# KiCad board ZSWatch-panelized.kicad_pcb
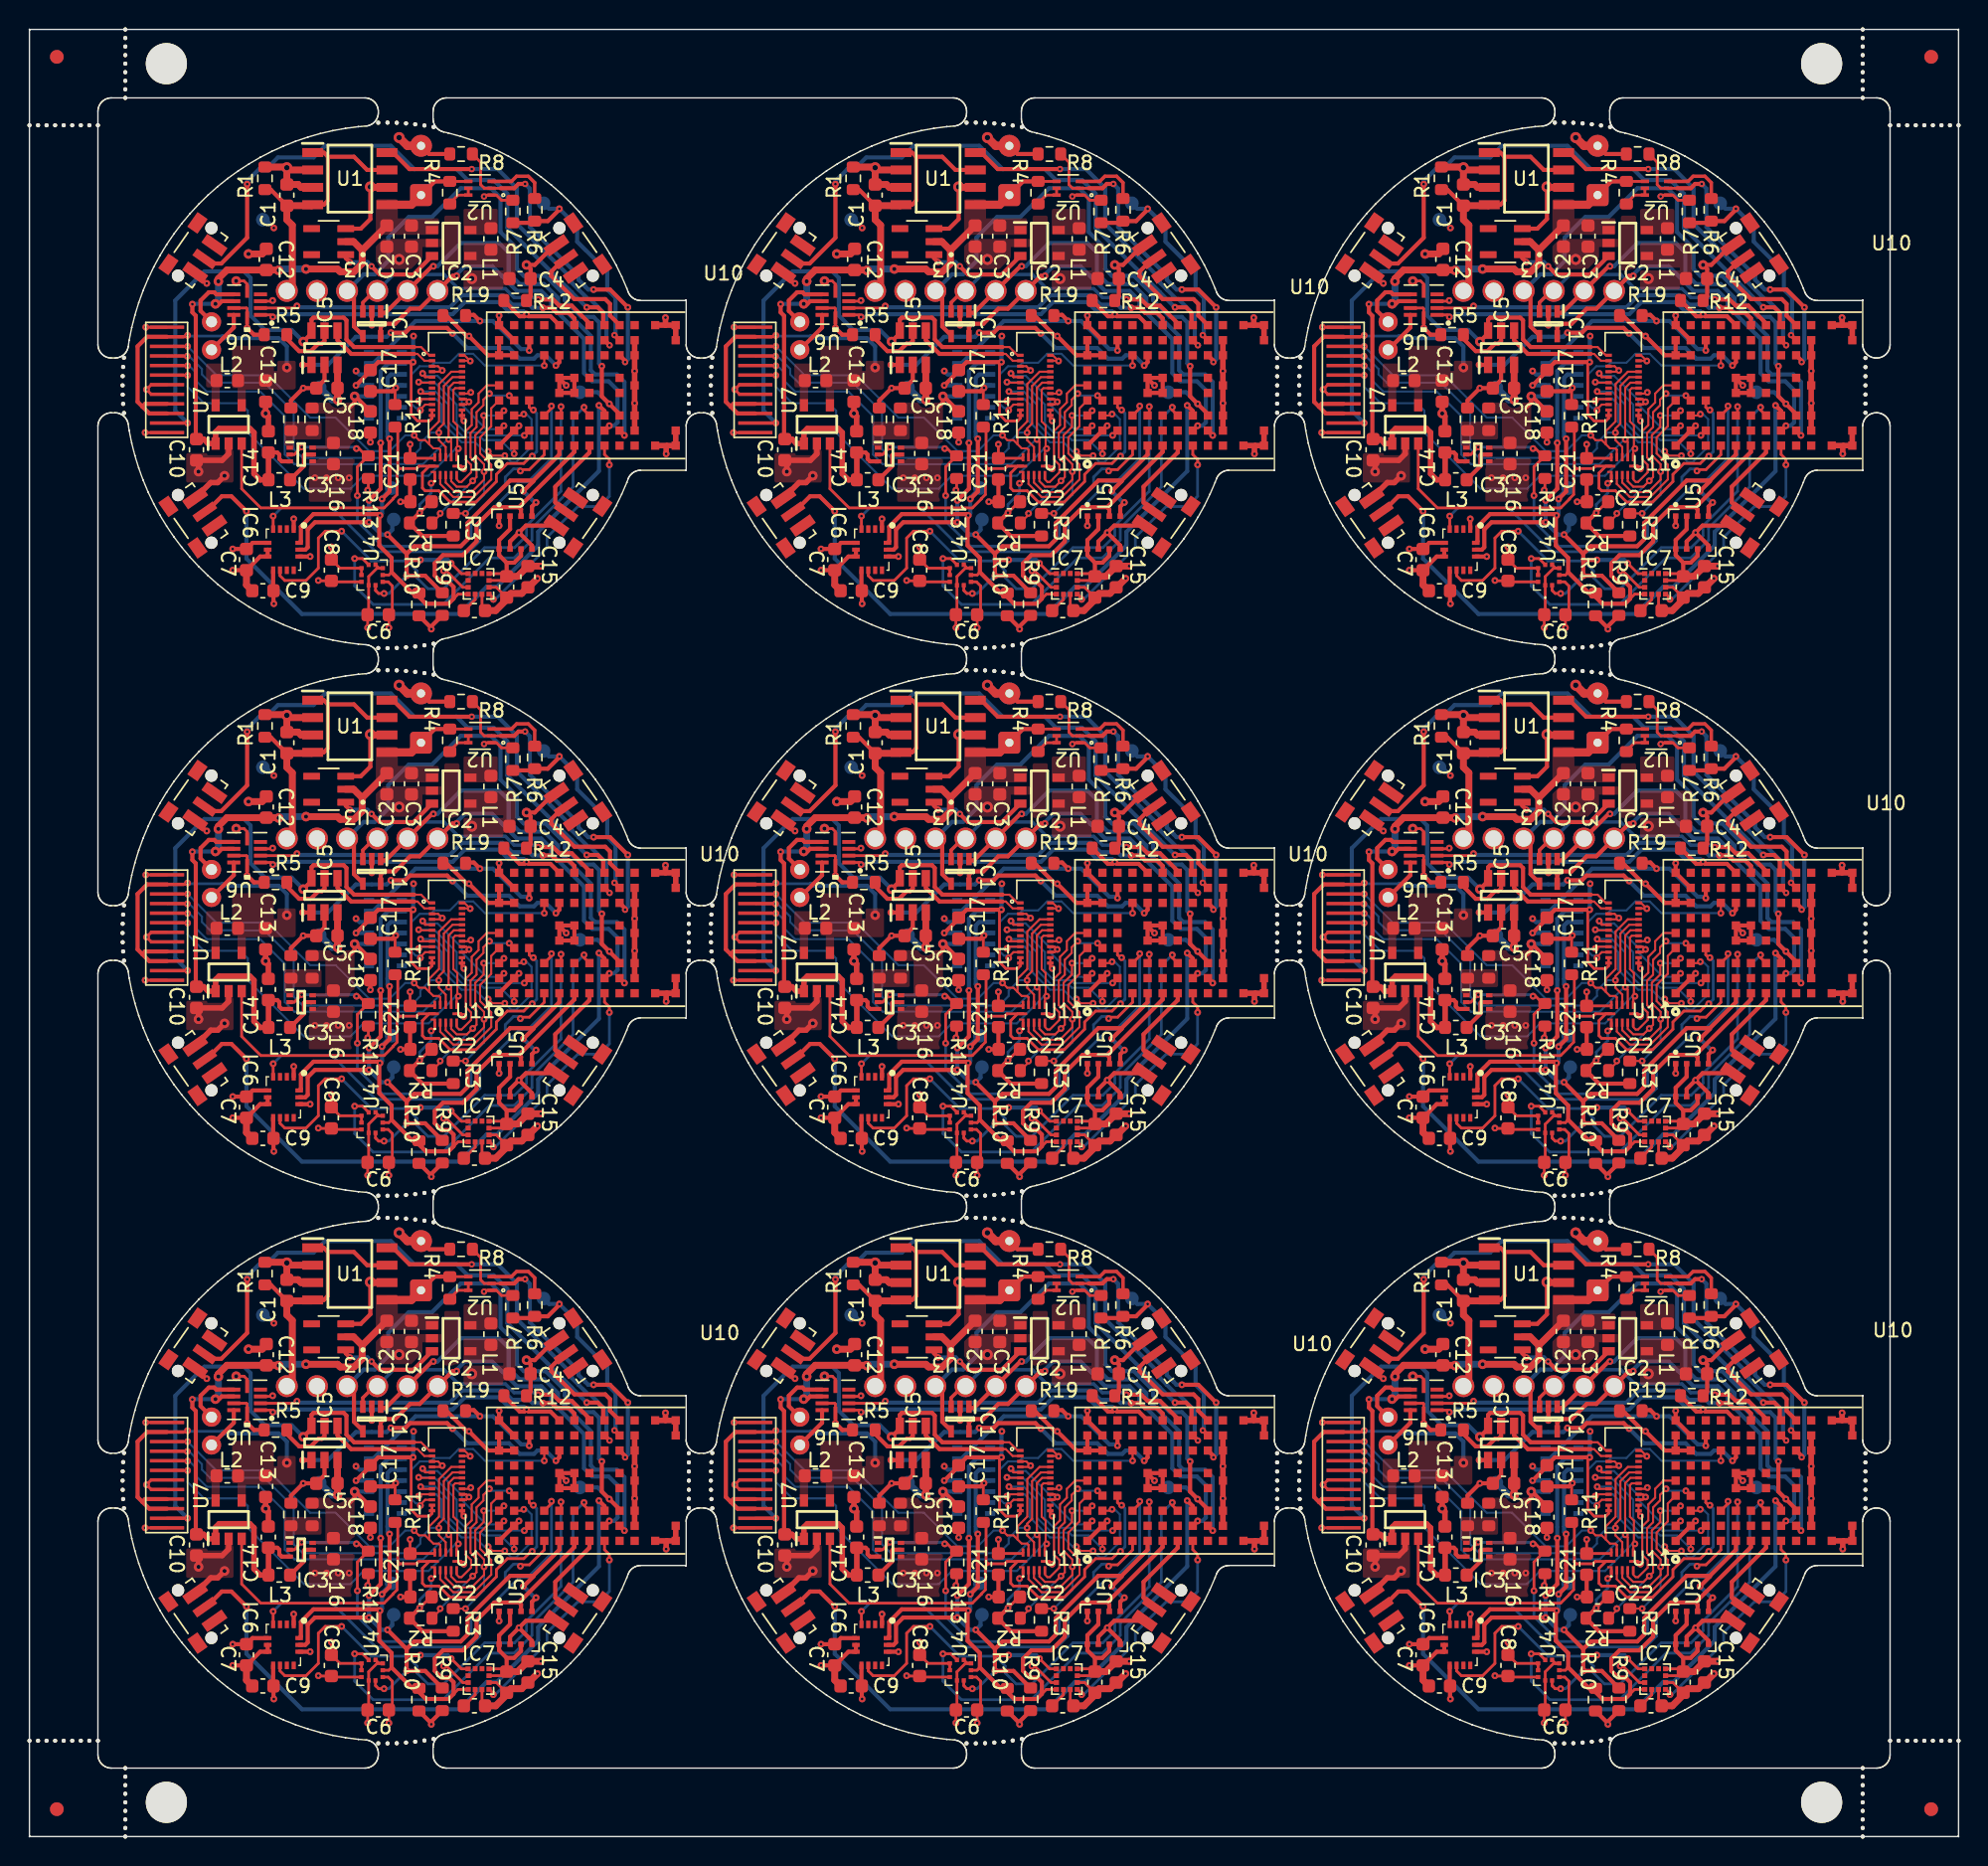
[diagram p0: board, top side]
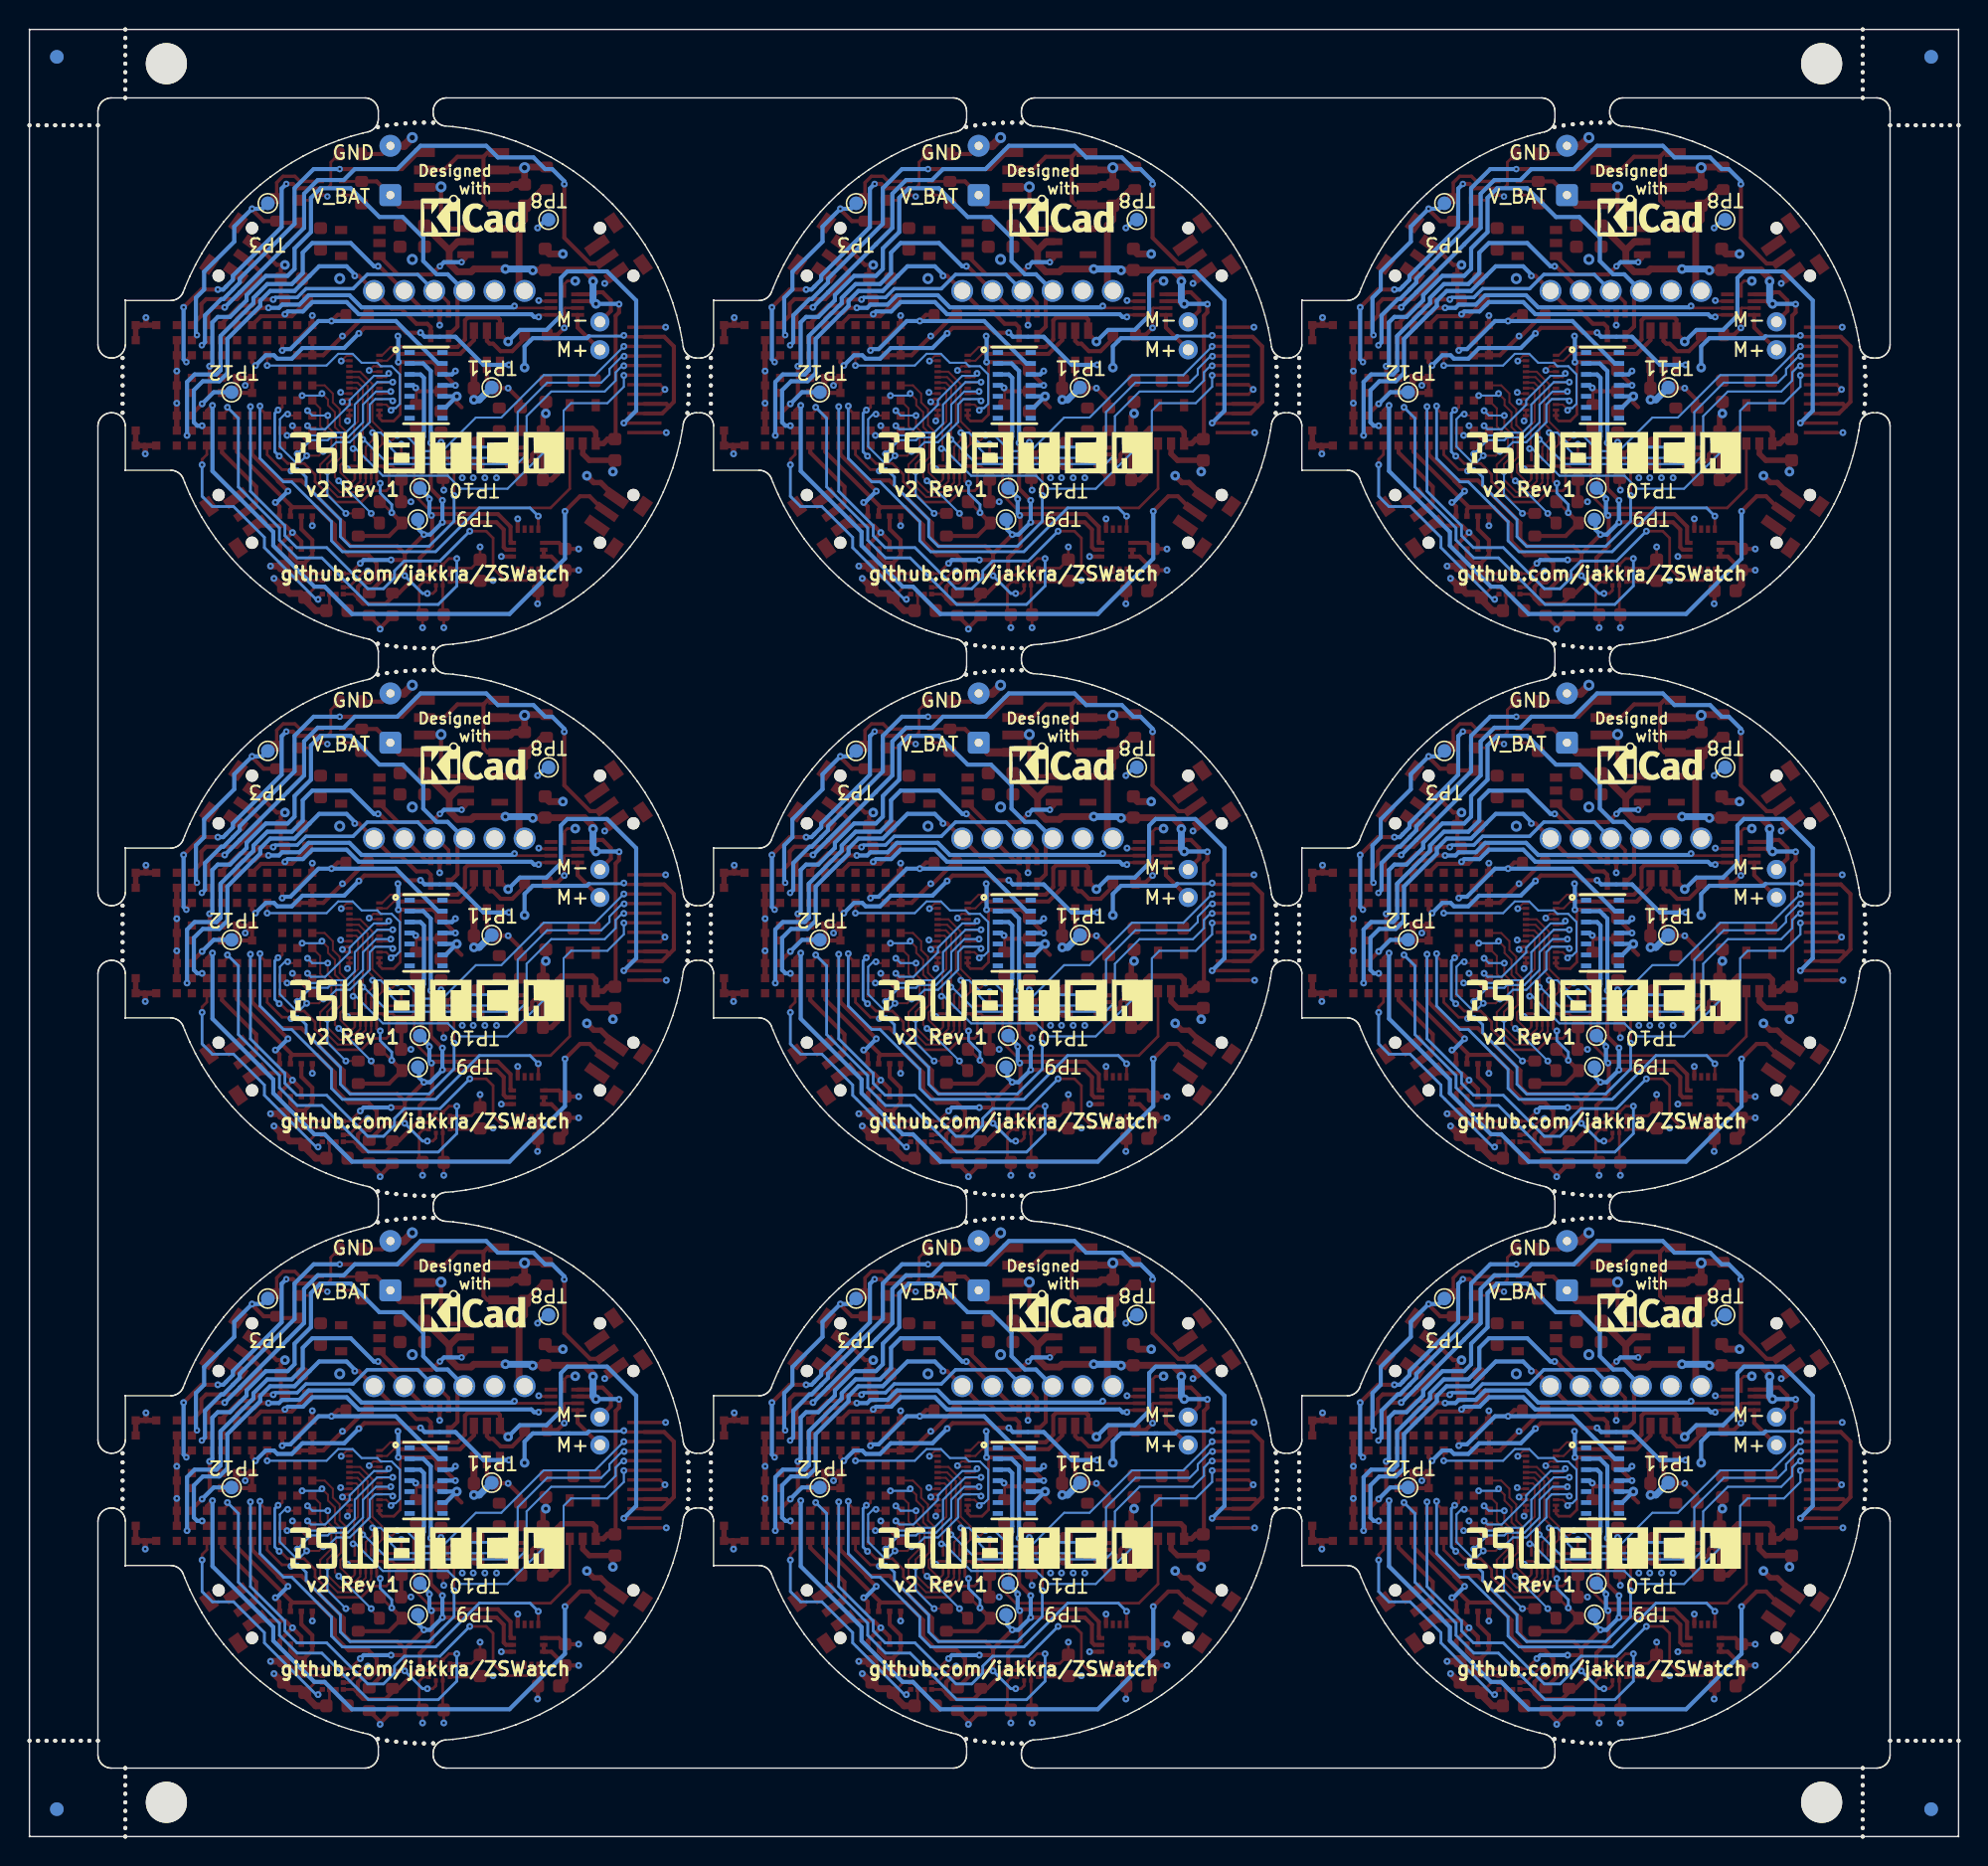
[diagram p1: board, bottom side, seen from below]

Outline 140.87 x 132 mm; copper layers: Top, In1.Cu, In2.Cu, Bottom. Coordinates in mm from the lower left corner of the outline.
Stack: Top 0.035mm / dielectric 0.48mm FR4 er 4.5 / In1.Cu 0.035mm / dielectric 0.48mm FR4 er 4.5 / In2.Cu 0.035mm / dielectric 0.48mm FR4 er 4.5 / Bottom 0.035mm

## Placement (name value [footprint] x y rotation side)
BT1  Battery pack  [SolderWire-0.1sqmm_1x02_P3.6mm_D0.4mm_OD1mm]  71.56 79.9 90 top
BT1#2  Battery pack  [SolderWire-0.1sqmm_1x02_P3.6mm_D0.4mm_OD1mm]  71.56 119.9 90 top
BT1#3  Battery pack  [SolderWire-0.1sqmm_1x02_P3.6mm_D0.4mm_OD1mm]  28.6 39.9 90 top
BT1#4  Battery pack  [SolderWire-0.1sqmm_1x02_P3.6mm_D0.4mm_OD1mm]  114.52 119.9 90 top
BT1#5  Battery pack  [SolderWire-0.1sqmm_1x02_P3.6mm_D0.4mm_OD1mm]  28.6 79.9 90 top
BT1#6  Battery pack  [SolderWire-0.1sqmm_1x02_P3.6mm_D0.4mm_OD1mm]  114.52 79.9 90 top
BT1#7  Battery pack  [SolderWire-0.1sqmm_1x02_P3.6mm_D0.4mm_OD1mm]  28.6 119.9 90 top
BT1#8  Battery pack  [SolderWire-0.1sqmm_1x02_P3.6mm_D0.4mm_OD1mm]  71.56 39.9 90 top
BT1#9  Battery pack  [SolderWire-0.1sqmm_1x02_P3.6mm_D0.4mm_OD1mm]  114.52 39.9 90 top
C1  4.7uF  [C_0603_1608Metric]  61.76 39.9 90 top
C1#2  4.7uF  [C_0603_1608Metric]  61.76 79.9 90 top
C1#3  4.7uF  [C_0603_1608Metric]  104.72 79.9 90 top
C1#4  4.7uF  [C_0603_1608Metric]  104.72 119.9 90 top
C1#5  4.7uF  [C_0603_1608Metric]  61.76 119.9 90 top
C1#6  4.7uF  [C_0603_1608Metric]  18.8 119.9 90 top
C1#7  4.7uF  [C_0603_1608Metric]  104.72 39.9 90 top
C1#8  4.7uF  [C_0603_1608Metric]  18.8 39.9 90 top
C1#9  4.7uF  [C_0603_1608Metric]  18.8 79.9 90 top
C2  2.2uF  [C_0603_1608Metric]  69.06 36.9 90 top
C2#2  2.2uF  [C_0603_1608Metric]  112.02 116.9 90 top
C2#3  2.2uF  [C_0603_1608Metric]  69.06 116.9 90 top
C2#4  2.2uF  [C_0603_1608Metric]  26.1 116.9 90 top
C2#5  2.2uF  [C_0603_1608Metric]  26.1 36.9 90 top
C2#6  2.2uF  [C_0603_1608Metric]  112.02 36.9 90 top
C2#7  2.2uF  [C_0603_1608Metric]  26.1 76.9 90 top
C2#8  2.2uF  [C_0603_1608Metric]  69.06 76.9 90 top
C2#9  2.2uF  [C_0603_1608Metric]  112.02 76.9 90 top
C3  10uF  [C_0603_1608Metric]  27.9 116.9 270 top
C3#2  10uF  [C_0603_1608Metric]  27.9 76.9 270 top
C3#3  10uF  [C_0603_1608Metric]  113.82 36.9 270 top
C3#4  10uF  [C_0603_1608Metric]  113.82 116.9 270 top
C3#5  10uF  [C_0603_1608Metric]  113.82 76.9 270 top
C3#6  10uF  [C_0603_1608Metric]  70.86 116.9 270 top
C3#7  10uF  [C_0603_1608Metric]  70.86 36.9 270 top
C3#8  10uF  [C_0603_1608Metric]  70.86 76.9 270 top
C3#9  10uF  [C_0603_1608Metric]  27.9 36.9 270 top
C4  22uF  [C_0603_1608Metric]  35.82 73.8 0 top
C4#2  22uF  [C_0603_1608Metric]  78.78 33.8 0 top
C4#3  22uF  [C_0603_1608Metric]  121.74 113.8 0 top
C4#4  22uF  [C_0603_1608Metric]  78.78 73.8 0 top
C4#5  22uF  [C_0603_1608Metric]  35.82 113.8 0 top
C4#6  22uF  [C_0603_1608Metric]  35.82 33.8 0 top
C4#7  22uF  [C_0603_1608Metric]  121.74 33.8 0 top
C4#8  22uF  [C_0603_1608Metric]  78.78 113.8 0 top
C4#9  22uF  [C_0603_1608Metric]  121.74 73.8 0 top
C5  1uF  [C_0603_1608Metric]  107.64 25.8 0 top
C5#2  1uF  [C_0603_1608Metric]  64.68 105.8 0 top
C5#3  1uF  [C_0603_1608Metric]  107.64 65.8 0 top
C5#4  1uF  [C_0603_1608Metric]  21.72 65.8 0 top
C5#5  1uF  [C_0603_1608Metric]  21.72 105.8 0 top
C5#6  1uF  [C_0603_1608Metric]  21.72 25.8 0 top
C5#7  1uF  [C_0603_1608Metric]  64.68 65.8 0 top
C5#8  1uF  [C_0603_1608Metric]  107.64 105.8 0 top
C5#9  1uF  [C_0603_1608Metric]  64.68 25.8 0 top
C6  0.1uF  [C_0603_1608Metric]  111.39 9.25 0 top
C6#2  0.1uF  [C_0603_1608Metric]  25.47 49.25 0 top
C6#3  0.1uF  [C_0603_1608Metric]  68.43 49.25 0 top
C6#4  0.1uF  [C_0603_1608Metric]  111.39 49.25 0 top
C6#5  0.1uF  [C_0603_1608Metric]  68.43 89.25 0 top
C6#6  0.1uF  [C_0603_1608Metric]  68.43 9.25 0 top
C6#7  0.1uF  [C_0603_1608Metric]  25.47 9.25 0 top
C6#8  0.1uF  [C_0603_1608Metric]  111.39 89.25 0 top
C6#9  0.1uF  [C_0603_1608Metric]  25.47 89.25 0 top
C7  0.1uF  [C_0603_1608Metric]  15.85 53.27 270 top
C7#2  0.1uF  [C_0603_1608Metric]  101.77 13.27 270 top
C7#3  0.1uF  [C_0603_1608Metric]  15.85 93.27 270 top
C7#4  0.1uF  [C_0603_1608Metric]  58.81 93.27 270 top
C7#5  0.1uF  [C_0603_1608Metric]  58.81 13.27 270 top
C7#6  0.1uF  [C_0603_1608Metric]  58.81 53.27 270 top
C7#7  0.1uF  [C_0603_1608Metric]  15.85 13.27 270 top
C7#8  0.1uF  [C_0603_1608Metric]  101.77 53.27 270 top
C7#9  0.1uF  [C_0603_1608Metric]  101.77 93.27 270 top
C8  0.1uF  [C_0603_1608Metric]  107.97 92.5 270 top
C8#2  0.1uF  [C_0603_1608Metric]  22.05 12.5 270 top
C8#3  0.1uF  [C_0603_1608Metric]  65.01 92.5 270 top
C8#4  0.1uF  [C_0603_1608Metric]  22.05 52.5 270 top
C8#5  0.1uF  [C_0603_1608Metric]  22.05 92.5 270 top
C8#6  0.1uF  [C_0603_1608Metric]  65.01 12.5 270 top
C8#7  0.1uF  [C_0603_1608Metric]  107.97 52.5 270 top
C8#8  0.1uF  [C_0603_1608Metric]  107.97 12.5 270 top
C8#9  0.1uF  [C_0603_1608Metric]  65.01 52.5 270 top
C9  0.1uF  [C_0603_1608Metric]  17.05 91 0 top
C9#2  0.1uF  [C_0603_1608Metric]  60.01 91 0 top
C9#3  0.1uF  [C_0603_1608Metric]  102.97 51 0 top
C9#4  0.1uF  [C_0603_1608Metric]  102.97 11 0 top
C9#5  0.1uF  [C_0603_1608Metric]  102.97 91 0 top
C9#6  0.1uF  [C_0603_1608Metric]  60.01 51 0 top
C9#7  0.1uF  [C_0603_1608Metric]  60.01 11 0 top
C9#8  0.1uF  [C_0603_1608Metric]  17.05 51 0 top
C9#9  0.1uF  [C_0603_1608Metric]  17.05 11 0 top
C10  10uF  [C_0603_1608Metric]  12.2 21.3 270 top
C10#2  10uF  [C_0603_1608Metric]  55.16 61.3 270 top
C10#3  10uF  [C_0603_1608Metric]  98.12 101.3 270 top
C10#4  10uF  [C_0603_1608Metric]  55.16 21.3 270 top
C10#5  10uF  [C_0603_1608Metric]  12.2 101.3 270 top
C10#6  10uF  [C_0603_1608Metric]  98.12 21.3 270 top
C10#7  10uF  [C_0603_1608Metric]  55.16 101.3 270 top
C10#8  10uF  [C_0603_1608Metric]  98.12 61.3 270 top
C10#9  10uF  [C_0603_1608Metric]  12.2 61.3 270 top
C11  220nF  [C_0603_1608Metric]  32.5 49.55 0 top
C11#2  220nF  [C_0603_1608Metric]  75.46 9.55 0 top
C11#3  220nF  [C_0603_1608Metric]  118.42 89.55 0 top
C11#4  220nF  [C_0603_1608Metric]  32.5 89.55 0 top
C11#5  220nF  [C_0603_1608Metric]  75.46 49.55 0 top
C11#6  220nF  [C_0603_1608Metric]  118.42 49.55 0 top
C11#7  220nF  [C_0603_1608Metric]  118.42 9.55 0 top
C11#8  220nF  [C_0603_1608Metric]  32.5 9.55 0 top
C11#9  220nF  [C_0603_1608Metric]  75.46 89.55 0 top
C12  0.1uF  [C_0603_1608Metric]  60.26 115.2 270 top
C12#2  0.1uF  [C_0603_1608Metric]  17.3 75.2 270 top
C12#3  0.1uF  [C_0603_1608Metric]  17.3 115.2 270 top
C12#4  0.1uF  [C_0603_1608Metric]  103.22 35.2 270 top
C12#5  0.1uF  [C_0603_1608Metric]  60.26 75.2 270 top
C12#6  0.1uF  [C_0603_1608Metric]  103.22 115.2 270 top
C12#7  0.1uF  [C_0603_1608Metric]  17.3 35.2 270 top
C12#8  0.1uF  [C_0603_1608Metric]  103.22 75.2 270 top
C12#9  0.1uF  [C_0603_1608Metric]  60.26 35.2 270 top
C13  22uF  [C_0603_1608Metric]  17.25 105.57 270 top
C13#2  22uF  [C_0603_1608Metric]  60.21 105.57 270 top
C13#3  22uF  [C_0603_1608Metric]  103.17 105.57 270 top
C13#4  22uF  [C_0603_1608Metric]  103.17 65.57 270 top
C13#5  22uF  [C_0603_1608Metric]  17.25 25.57 270 top
C13#6  22uF  [C_0603_1608Metric]  60.21 25.57 270 top
C13#7  22uF  [C_0603_1608Metric]  60.21 65.57 270 top
C13#8  22uF  [C_0603_1608Metric]  103.17 25.57 270 top
C13#9  22uF  [C_0603_1608Metric]  17.25 65.57 270 top
C14  10uF  [C_0603_1608Metric]  103.37 61.87 90 top
C14#2  10uF  [C_0603_1608Metric]  17.45 21.87 90 top
C14#3  10uF  [C_0603_1608Metric]  60.41 21.87 90 top
C14#4  10uF  [C_0603_1608Metric]  17.45 101.87 90 top
C14#5  10uF  [C_0603_1608Metric]  60.41 61.87 90 top
C14#6  10uF  [C_0603_1608Metric]  17.45 61.87 90 top
C14#7  10uF  [C_0603_1608Metric]  103.37 101.87 90 top
C14#8  10uF  [C_0603_1608Metric]  103.37 21.87 90 top
C14#9  10uF  [C_0603_1608Metric]  60.41 101.87 90 top
C15  10uF  [C_0603_1608Metric]  36.4 52.02 270 top
C15#2  10uF  [C_0603_1608Metric]  79.36 92.02 270 top
C15#3  10uF  [C_0603_1608Metric]  36.4 92.02 270 top
C15#4  10uF  [C_0603_1608Metric]  122.32 12.02 270 top
C15#5  10uF  [C_0603_1608Metric]  79.36 12.02 270 top
C15#6  10uF  [C_0603_1608Metric]  36.4 12.02 270 top
C15#7  10uF  [C_0603_1608Metric]  79.36 52.02 270 top
C15#8  10uF  [C_0603_1608Metric]  122.32 92.02 270 top
C15#9  10uF  [C_0603_1608Metric]  122.32 52.02 270 top
C16  47uF  [C_0603_1608Metric]  22.2 101.02 270 top
C16#2  47uF  [C_0603_1608Metric]  22.2 61.02 270 top
C16#3  47uF  [C_0603_1608Metric]  65.16 61.02 270 top
C16#4  47uF  [C_0603_1608Metric]  108.12 21.02 270 top
C16#5  47uF  [C_0603_1608Metric]  108.12 101.02 270 top
C16#6  47uF  [C_0603_1608Metric]  108.12 61.02 270 top
C16#7  47uF  [C_0603_1608Metric]  65.16 101.02 270 top
C16#8  47uF  [C_0603_1608Metric]  65.16 21.02 270 top
C16#9  47uF  [C_0603_1608Metric]  22.2 21.02 270 top
C17  1uF  [C_0603_1608Metric]  110.82 26.35 90 top
C17#2  1uF  [C_0603_1608Metric]  67.86 106.35 90 top
C17#3  1uF  [C_0603_1608Metric]  67.86 26.35 90 top
C17#4  1uF  [C_0603_1608Metric]  110.82 106.35 90 top
C17#5  1uF  [C_0603_1608Metric]  24.9 106.35 90 top
C17#6  1uF  [C_0603_1608Metric]  24.9 26.35 90 top
C17#7  1uF  [C_0603_1608Metric]  67.86 66.35 90 top
C17#8  1uF  [C_0603_1608Metric]  24.9 66.35 90 top
C17#9  1uF  [C_0603_1608Metric]  110.82 66.35 90 top
C18  1uF  [C_0603_1608Metric]  110.82 23.32 270 top
C18#2  1uF  [C_0603_1608Metric]  67.86 103.32 270 top
C18#3  1uF  [C_0603_1608Metric]  110.82 63.32 270 top
C18#4  1uF  [C_0603_1608Metric]  24.9 63.32 270 top
C18#5  1uF  [C_0603_1608Metric]  67.86 23.32 270 top
C18#6  1uF  [C_0603_1608Metric]  67.86 63.32 270 top
C18#7  1uF  [C_0603_1608Metric]  24.9 23.32 270 top
C18#8  1uF  [C_0603_1608Metric]  24.9 103.32 270 top
C18#9  1uF  [C_0603_1608Metric]  110.82 103.32 270 top
C19  0.1uF  [C_0603_1608Metric]  34.85 51.27 90 top
C19#2  0.1uF  [C_0603_1608Metric]  77.81 91.27 90 top
C19#3  0.1uF  [C_0603_1608Metric]  77.81 11.27 90 top
C19#4  0.1uF  [C_0603_1608Metric]  34.85 91.27 90 top
C19#5  0.1uF  [C_0603_1608Metric]  120.77 51.27 90 top
C19#6  0.1uF  [C_0603_1608Metric]  120.77 91.27 90 top
C19#7  0.1uF  [C_0603_1608Metric]  120.77 11.27 90 top
C19#8  0.1uF  [C_0603_1608Metric]  34.85 11.27 90 top
C19#9  0.1uF  [C_0603_1608Metric]  77.81 51.27 90 top
C21  0.1uF  [C_0603_1608Metric]  27.8 99.9 90 top
C21#2  0.1uF  [C_0603_1608Metric]  27.8 59.9 90 top
C21#3  0.1uF  [C_0603_1608Metric]  113.72 59.9 90 top
C21#4  0.1uF  [C_0603_1608Metric]  27.8 19.9 90 top
C21#5  0.1uF  [C_0603_1608Metric]  70.76 19.9 90 top
C21#6  0.1uF  [C_0603_1608Metric]  70.76 99.9 90 top
C21#7  0.1uF  [C_0603_1608Metric]  113.72 19.9 90 top
C21#8  0.1uF  [C_0603_1608Metric]  113.72 99.9 90 top
C21#9  0.1uF  [C_0603_1608Metric]  70.76 59.9 90 top
C22  0.1uF  [C_0603_1608Metric]  28.6 97.5 0 top
C22#2  0.1uF  [C_0603_1608Metric]  28.6 17.5 0 top
C22#3  0.1uF  [C_0603_1608Metric]  114.52 17.5 0 top
C22#4  0.1uF  [C_0603_1608Metric]  114.52 57.5 0 top
C22#5  0.1uF  [C_0603_1608Metric]  114.52 97.5 0 top
C22#6  0.1uF  [C_0603_1608Metric]  71.56 97.5 0 top
C22#7  0.1uF  [C_0603_1608Metric]  71.56 17.5 0 top
C22#8  0.1uF  [C_0603_1608Metric]  71.56 57.5 0 top
C22#9  0.1uF  [C_0603_1608Metric]  28.6 57.5 0 top
G***  -  [LOGO]  108.35 38.5 180 bottom
G***#2  -  [LOGO]  22.43 118.5 180 bottom
G***#3  -  [LOGO]  65.39 78.5 180 bottom
G***#4  -  [LOGO]  108.35 78.5 180 bottom
G***#5  -  [LOGO]  68.88 61.1 180 bottom
G***#6  -  [LOGO]  68.88 101.1 180 bottom
G***#7  -  [LOGO]  65.39 118.5 180 bottom
G***#8  -  [LOGO]  111.84 21.1 180 bottom
G***#9  -  [LOGO]  25.92 21.1 180 bottom
G***#10  -  [LOGO]  22.43 78.5 180 bottom
G***#11  -  [LOGO]  111.84 61.1 180 bottom
G***#12  -  [LOGO]  111.84 101.1 180 bottom
G***#13  -  [LOGO]  108.35 118.5 180 bottom
G***#14  -  [LOGO]  68.88 21.1 180 bottom
G***#15  -  [LOGO]  22.43 38.5 180 bottom
G***#16  -  [LOGO]  65.39 38.5 180 bottom
G***#17  -  [LOGO]  25.92 61.1 180 bottom
G***#18  -  [LOGO]  25.92 101.1 180 bottom
IC1  ESDALC6V1W5  [SOT65P210X110-5L]  110.92 30.5 270 top
IC1#2  ESDALC6V1W5  [SOT65P210X110-5L]  67.96 70.5 270 top
IC1#3  ESDALC6V1W5  [SOT65P210X110-5L]  110.92 70.5 270 top
IC1#4  ESDALC6V1W5  [SOT65P210X110-5L]  25 30.5 270 top
IC1#5  ESDALC6V1W5  [SOT65P210X110-5L]  25 110.5 270 top
IC1#6  ESDALC6V1W5  [SOT65P210X110-5L]  67.96 110.5 270 top
IC1#7  ESDALC6V1W5  [SOT65P210X110-5L]  67.96 30.5 270 top
IC1#8  ESDALC6V1W5  [SOT65P210X110-5L]  110.92 110.5 270 top
IC1#9  ESDALC6V1W5  [SOT65P210X110-5L]  25 70.5 270 top
IC2  XC9265C181MR-G  [SOT95P280X130-5N]  73.76 36.4 0 top
IC2#2  XC9265C181MR-G  [SOT95P280X130-5N]  116.72 116.4 0 top
IC2#3  XC9265C181MR-G  [SOT95P280X130-5N]  73.76 116.4 0 top
IC2#4  XC9265C181MR-G  [SOT95P280X130-5N]  30.8 76.4 0 top
IC2#5  XC9265C181MR-G  [SOT95P280X130-5N]  116.72 36.4 0 top
IC2#6  XC9265C181MR-G  [SOT95P280X130-5N]  73.76 76.4 0 top
IC2#7  XC9265C181MR-G  [SOT95P280X130-5N]  30.8 116.4 0 top
IC2#8  XC9265C181MR-G  [SOT95P280X130-5N]  116.72 76.4 0 top
IC2#9  XC9265C181MR-G  [SOT95P280X130-5N]  30.8 36.4 0 top
IC3  TPS61023DRLT  [SOTFL50P160X60-6N]  62.81 100.95 0 top
IC3#2  TPS61023DRLT  [SOTFL50P160X60-6N]  19.85 60.95 0 top
IC3#3  TPS61023DRLT  [SOTFL50P160X60-6N]  105.77 100.95 0 top
IC3#4  TPS61023DRLT  [SOTFL50P160X60-6N]  62.81 60.95 0 top
IC3#5  TPS61023DRLT  [SOTFL50P160X60-6N]  105.77 60.95 0 top
IC3#6  TPS61023DRLT  [SOTFL50P160X60-6N]  62.81 20.95 0 top
IC3#7  TPS61023DRLT  [SOTFL50P160X60-6N]  19.85 100.95 0 top
IC3#8  TPS61023DRLT  [SOTFL50P160X60-6N]  105.77 20.95 0 top
IC3#9  TPS61023DRLT  [SOTFL50P160X60-6N]  19.85 20.95 0 top
IC4  MAX30101EFD+T  [14-LEAD-OESIP]  68.95 26 180 bottom
IC4#2  MAX30101EFD+T  [14-LEAD-OESIP]  25.99 26 180 bottom
IC4#3  MAX30101EFD+T  [14-LEAD-OESIP]  25.99 106 180 bottom
IC4#4  MAX30101EFD+T  [14-LEAD-OESIP]  111.91 106 180 bottom
IC4#5  MAX30101EFD+T  [14-LEAD-OESIP]  111.91 26 180 bottom
IC4#6  MAX30101EFD+T  [14-LEAD-OESIP]  68.95 106 180 bottom
IC4#7  MAX30101EFD+T  [14-LEAD-OESIP]  68.95 66 180 bottom
IC4#8  MAX30101EFD+T  [14-LEAD-OESIP]  25.99 66 180 bottom
IC4#9  MAX30101EFD+T  [14-LEAD-OESIP]  111.91 66 180 bottom
IC5  FAN5622SX  [SOT95P280X110-6N]  21.55 108.75 90 top
IC5#2  FAN5622SX  [SOT95P280X110-6N]  107.47 68.75 90 top
IC5#3  FAN5622SX  [SOT95P280X110-6N]  64.51 108.75 90 top
IC5#4  FAN5622SX  [SOT95P280X110-6N]  21.55 28.75 90 top
IC5#5  FAN5622SX  [SOT95P280X110-6N]  64.51 28.75 90 top
IC5#6  FAN5622SX  [SOT95P280X110-6N]  107.47 28.75 90 top
IC5#7  FAN5622SX  [SOT95P280X110-6N]  64.51 68.75 90 top
IC5#8  FAN5622SX  [SOT95P280X110-6N]  107.47 108.75 90 top
IC5#9  FAN5622SX  [SOT95P280X110-6N]  21.55 68.75 90 top
IC6  BMI270  [QFN50P300X250X87-14N]  61.51 54 270 top
IC6#2  BMI270  [QFN50P300X250X87-14N]  18.55 54 270 top
IC6#3  BMI270  [QFN50P300X250X87-14N]  104.47 54 270 top
IC6#4  BMI270  [QFN50P300X250X87-14N]  104.47 94 270 top
IC6#5  BMI270  [QFN50P300X250X87-14N]  18.55 14 270 top
IC6#6  BMI270  [QFN50P300X250X87-14N]  104.47 14 270 top
IC6#7  BMI270  [QFN50P300X250X87-14N]  18.55 94 270 top
IC6#8  BMI270  [QFN50P300X250X87-14N]  61.51 94 270 top
IC6#9  BMI270  [QFN50P300X250X87-14N]  61.51 14 270 top
IC7  LIS2MDLTR  [lis2mdl]  118.72 51.5 0 top
IC7#2  LIS2MDLTR  [lis2mdl]  118.72 11.5 0 top
IC7#3  LIS2MDLTR  [lis2mdl]  75.76 51.5 0 top
IC7#4  LIS2MDLTR  [lis2mdl]  75.76 91.5 0 top
IC7#5  LIS2MDLTR  [lis2mdl]  32.8 91.5 0 top
IC7#6  LIS2MDLTR  [lis2mdl]  32.8 11.5 0 top
IC7#7  LIS2MDLTR  [lis2mdl]  118.72 91.5 0 top
IC7#8  LIS2MDLTR  [lis2mdl]  32.8 51.5 0 top
IC7#9  LIS2MDLTR  [lis2mdl]  75.76 11.5 0 top
J2  Charger and programming header (Placeholder)  [rtlecs-6-pin]  24.3 32.9 180 bottom
J2#2  Charger and programming header (Placeholder)  [rtlecs-6-pin]  110.22 32.9 180 bottom
J2#3  Charger and programming header (Placeholder)  [rtlecs-6-pin]  110.22 112.9 180 bottom
J2#4  Charger and programming header (Placeholder)  [rtlecs-6-pin]  67.26 32.9 180 bottom
J2#5  Charger and programming header (Placeholder)  [rtlecs-6-pin]  110.22 72.9 180 bottom
J2#6  Charger and programming header (Placeholder)  [rtlecs-6-pin]  67.26 112.9 180 bottom
J2#7  Charger and programming header (Placeholder)  [rtlecs-6-pin]  24.3 72.9 180 bottom
J2#8  Charger and programming header (Placeholder)  [rtlecs-6-pin]  67.26 72.9 180 bottom
J2#9  Charger and programming header (Placeholder)  [rtlecs-6-pin]  24.3 112.9 180 bottom
L1  10uH  [L_0603_1608Metric]  33.7 116.7 270 top
L1#2  10uH  [L_0603_1608Metric]  119.62 36.7 270 top
L1#3  10uH  [L_0603_1608Metric]  76.66 76.7 270 top
L1#4  10uH  [L_0603_1608Metric]  119.62 76.7 270 top
L1#5  10uH  [L_0603_1608Metric]  76.66 36.7 270 top
L1#6  10uH  [L_0603_1608Metric]  76.66 116.7 270 top
L1#7  10uH  [L_0603_1608Metric]  33.7 36.7 270 top
L1#8  10uH  [L_0603_1608Metric]  119.62 116.7 270 top
L1#9  10uH  [L_0603_1608Metric]  33.7 76.7 270 top
L2  10uH  [L_0603_1608Metric]  14.45 26.35 0 top
L2#2  10uH  [L_0603_1608Metric]  100.37 106.35 0 top
L2#3  10uH  [L_0603_1608Metric]  100.37 66.35 0 top
L2#4  10uH  [L_0603_1608Metric]  14.45 106.35 0 top
L2#5  10uH  [L_0603_1608Metric]  14.45 66.35 0 top
L2#6  10uH  [L_0603_1608Metric]  100.37 26.35 0 top
L2#7  10uH  [L_0603_1608Metric]  57.41 106.35 0 top
L2#8  10uH  [L_0603_1608Metric]  57.41 66.35 0 top
L2#9  10uH  [L_0603_1608Metric]  57.41 26.35 0 top
L3  1uH  [L_0603_1608Metric]  104.17 99.1 0 top
L3#2  1uH  [L_0603_1608Metric]  61.21 59.1 0 top
L3#3  1uH  [L_0603_1608Metric]  104.17 19.1 0 top
L3#4  1uH  [L_0603_1608Metric]  61.21 99.1 0 top
L3#5  1uH  [L_0603_1608Metric]  18.25 59.1 0 top
L3#6  1uH  [L_0603_1608Metric]  18.25 19.1 0 top
L3#7  1uH  [L_0603_1608Metric]  18.25 99.1 0 top
L3#8  1uH  [L_0603_1608Metric]  61.21 19.1 0 top
L3#9  1uH  [L_0603_1608Metric]  104.17 59.1 0 top
M1  Vibrator DC Motor  [TestPoint_2Pads_Pitch2.54mm_Drill0.8mm]  56.26 28.6 90 top
M1#2  Vibrator DC Motor  [TestPoint_2Pads_Pitch2.54mm_Drill0.8mm]  56.26 68.6 90 top
M1#3  Vibrator DC Motor  [TestPoint_2Pads_Pitch2.54mm_Drill0.8mm]  99.22 28.6 90 top